# KiCad board PANEL7x5_ADS1293.kicad_pcb (continued)
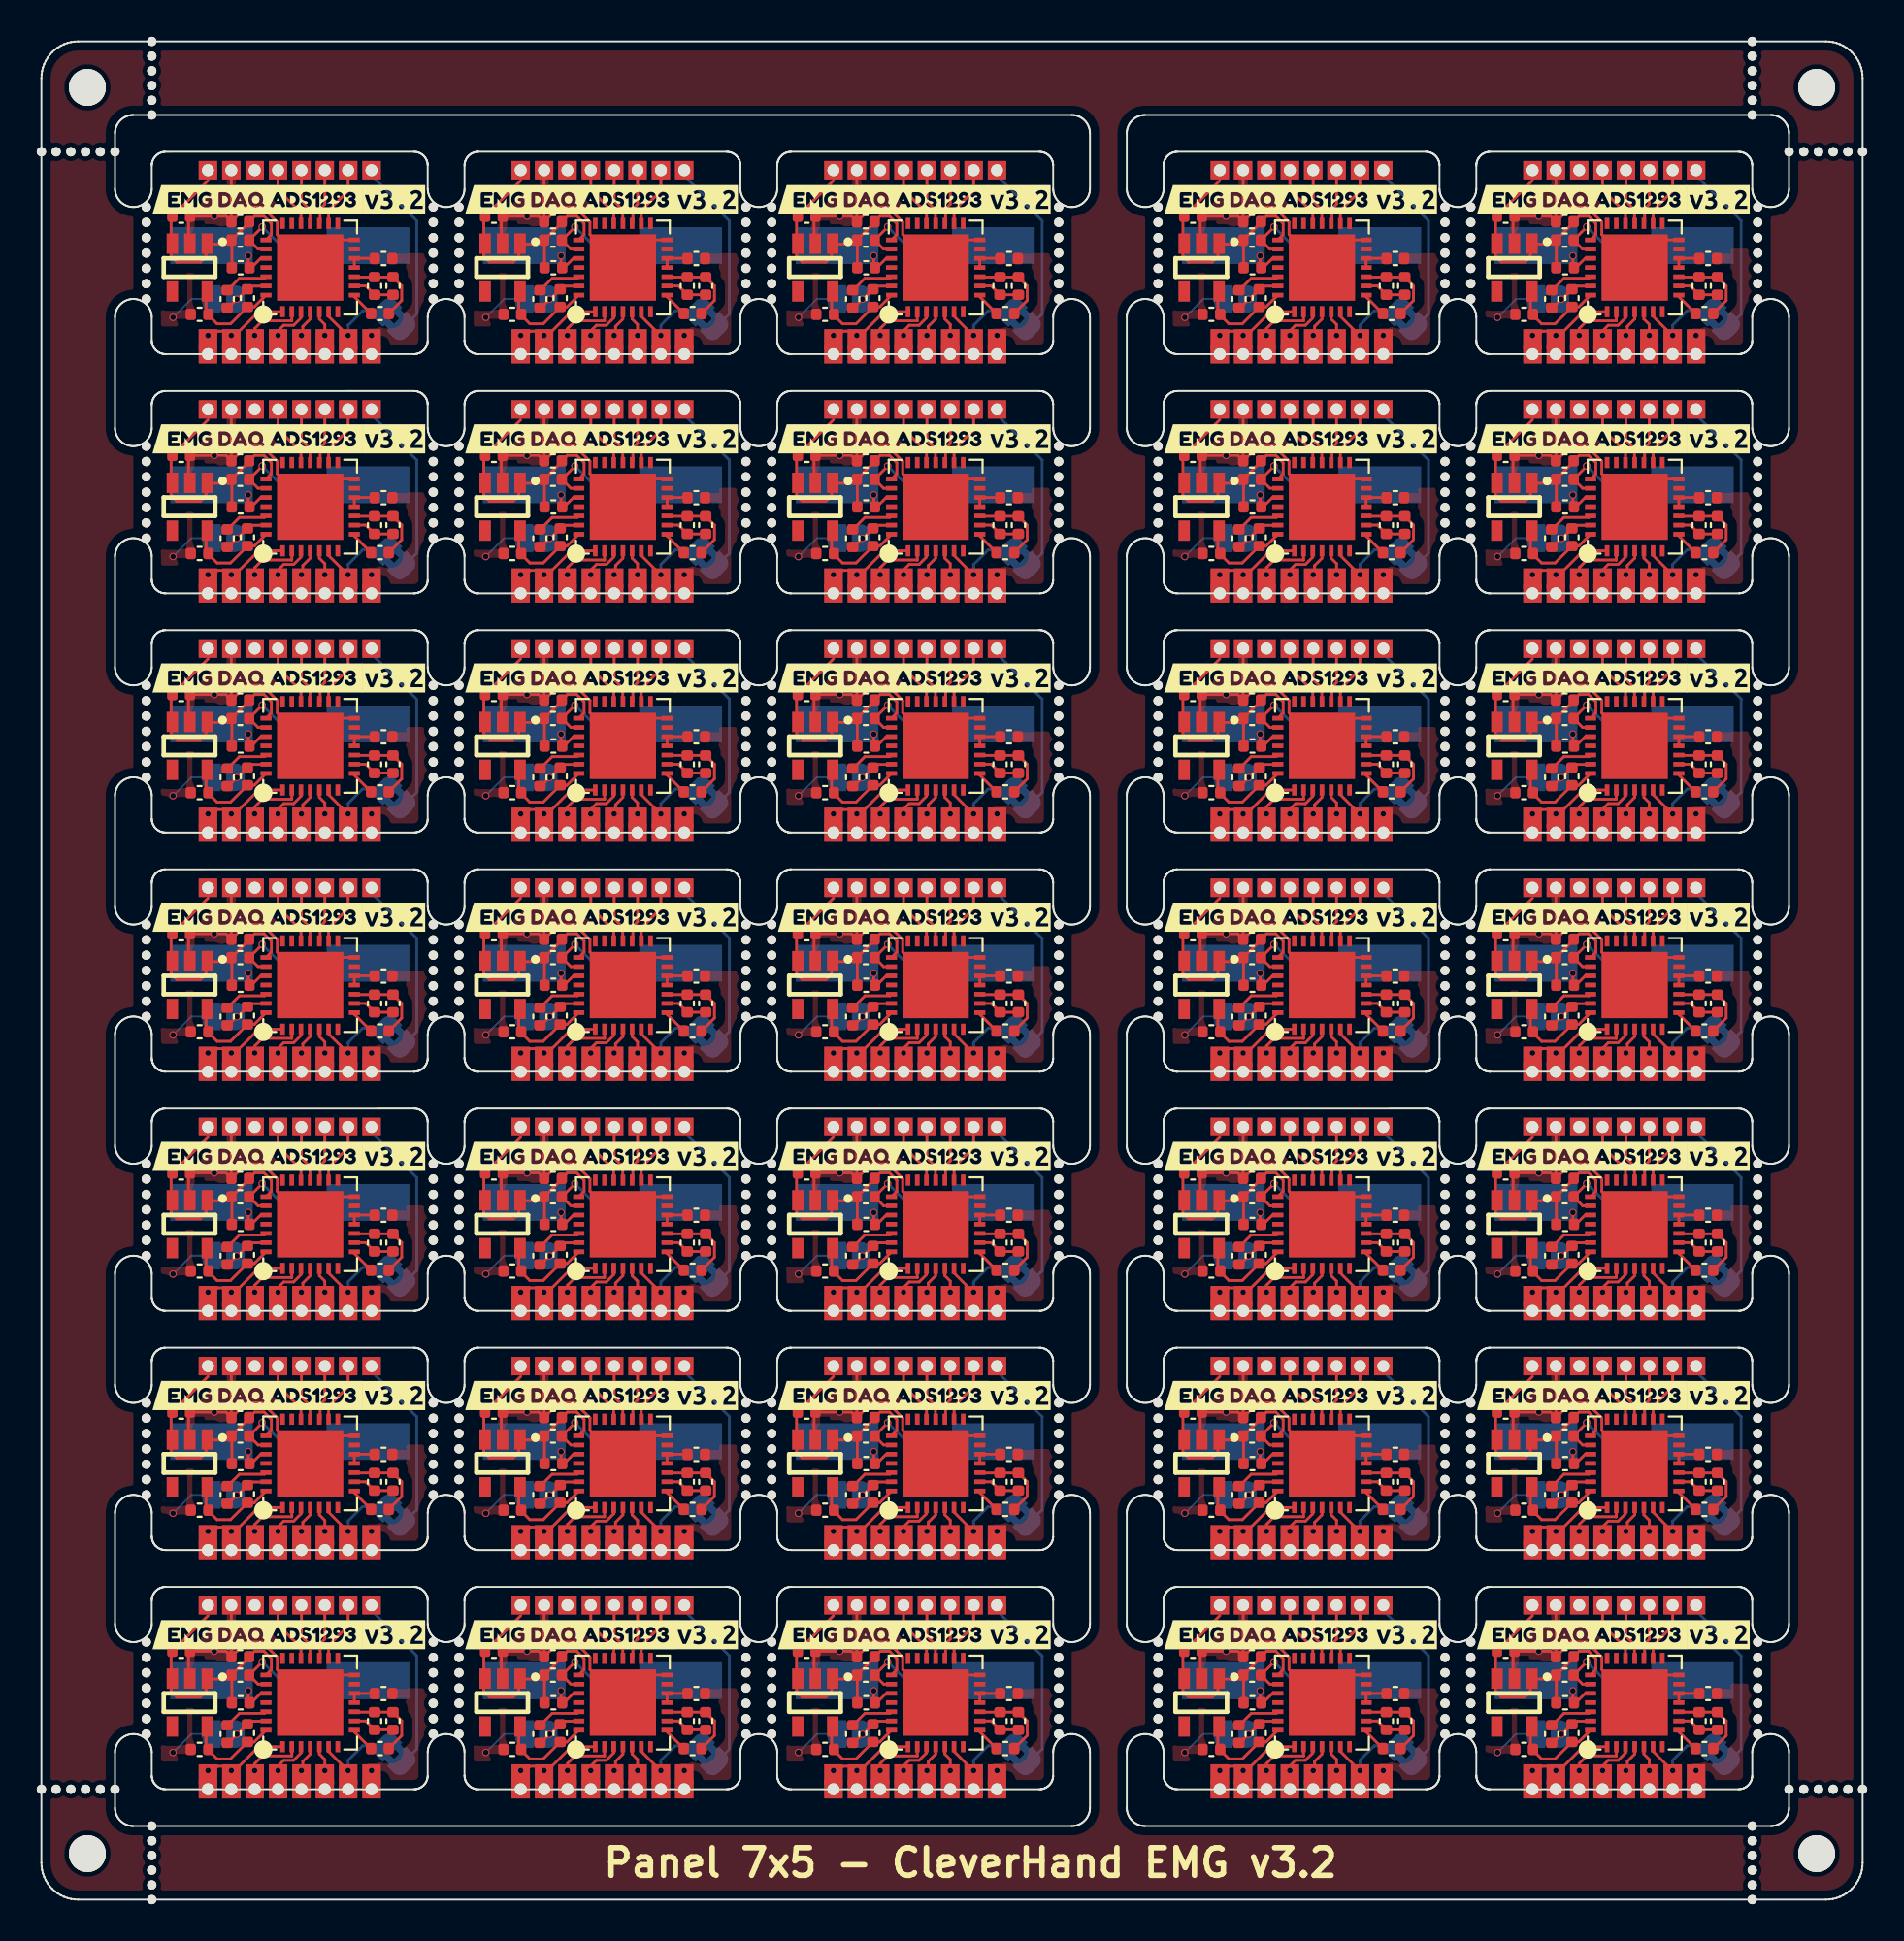
[diagram p0: board, top side]
## Placement (name value [footprint] x y rotation side) (continued)
KiKit_MB_17_5  -  [NPTH]  60.7 77.33 0 top
KiKit_MB_17_6  -  [NPTH]  60.7 78.17 0 top
KiKit_MB_17_7  -  [NPTH]  60.7 79 0 top
KiKit_MB_18_1  -  [NPTH]  76.3 79 0 top
KiKit_MB_18_2  -  [NPTH]  76.3 78.17 0 top
KiKit_MB_18_3  -  [NPTH]  76.3 77.33 0 top
KiKit_MB_18_4  -  [NPTH]  76.3 76.5 0 top
KiKit_MB_18_5  -  [NPTH]  76.3 75.67 0 top
KiKit_MB_18_6  -  [NPTH]  76.3 74.83 0 top
KiKit_MB_18_7  -  [NPTH]  76.3 74 0 top
KiKit_MB_19_1  -  [NPTH]  77.7 74 0 top
KiKit_MB_19_2  -  [NPTH]  77.7 74.83 0 top
KiKit_MB_19_3  -  [NPTH]  77.7 75.67 0 top
KiKit_MB_19_4  -  [NPTH]  77.7 76.5 0 top
KiKit_MB_19_5  -  [NPTH]  77.7 77.33 0 top
KiKit_MB_19_6  -  [NPTH]  77.7 78.17 0 top
KiKit_MB_19_7  -  [NPTH]  77.7 79 0 top
KiKit_MB_20_1  -  [NPTH]  93.3 79 0 top
KiKit_MB_20_2  -  [NPTH]  93.3 78.17 0 top
KiKit_MB_20_3  -  [NPTH]  93.3 77.33 0 top
KiKit_MB_20_4  -  [NPTH]  93.3 76.5 0 top
KiKit_MB_20_5  -  [NPTH]  93.3 75.67 0 top
KiKit_MB_20_6  -  [NPTH]  93.3 74.83 0 top
KiKit_MB_20_7  -  [NPTH]  93.3 74 0 top
KiKit_MB_21_1  -  [NPTH]  5.7 61 0 top
KiKit_MB_21_2  -  [NPTH]  5.7 61.83 0 top
KiKit_MB_21_3  -  [NPTH]  5.7 62.67 0 top
KiKit_MB_21_4  -  [NPTH]  5.7 63.5 0 top
KiKit_MB_21_5  -  [NPTH]  5.7 64.33 0 top
KiKit_MB_21_6  -  [NPTH]  5.7 65.17 0 top
KiKit_MB_21_7  -  [NPTH]  5.7 66 0 top
KiKit_MB_22_1  -  [NPTH]  21.3 66 0 top
KiKit_MB_22_2  -  [NPTH]  21.3 65.17 0 top
KiKit_MB_22_3  -  [NPTH]  21.3 64.33 0 top
KiKit_MB_22_4  -  [NPTH]  21.3 63.5 0 top
KiKit_MB_22_5  -  [NPTH]  21.3 62.67 0 top
KiKit_MB_22_6  -  [NPTH]  21.3 61.83 0 top
KiKit_MB_22_7  -  [NPTH]  21.3 61 0 top
KiKit_MB_23_1  -  [NPTH]  22.7 61 0 top
KiKit_MB_23_2  -  [NPTH]  22.7 61.83 0 top
KiKit_MB_23_3  -  [NPTH]  22.7 62.67 0 top
KiKit_MB_23_4  -  [NPTH]  22.7 63.5 0 top
KiKit_MB_23_5  -  [NPTH]  22.7 64.33 0 top
KiKit_MB_23_6  -  [NPTH]  22.7 65.17 0 top
KiKit_MB_23_7  -  [NPTH]  22.7 66 0 top
KiKit_MB_24_1  -  [NPTH]  38.3 66 0 top
KiKit_MB_24_2  -  [NPTH]  38.3 65.17 0 top
KiKit_MB_24_3  -  [NPTH]  38.3 64.33 0 top
KiKit_MB_24_4  -  [NPTH]  38.3 63.5 0 top
KiKit_MB_24_5  -  [NPTH]  38.3 62.67 0 top
KiKit_MB_24_6  -  [NPTH]  38.3 61.83 0 top
KiKit_MB_24_7  -  [NPTH]  38.3 61 0 top
KiKit_MB_25_1  -  [NPTH]  39.7 61 0 top
KiKit_MB_25_2  -  [NPTH]  39.7 61.83 0 top
KiKit_MB_25_3  -  [NPTH]  39.7 62.67 0 top
KiKit_MB_25_4  -  [NPTH]  39.7 63.5 0 top
KiKit_MB_25_5  -  [NPTH]  39.7 64.33 0 top
KiKit_MB_25_6  -  [NPTH]  39.7 65.17 0 top
KiKit_MB_25_7  -  [NPTH]  39.7 66 0 top
KiKit_MB_26_1  -  [NPTH]  55.3 66 0 top
KiKit_MB_26_2  -  [NPTH]  55.3 65.17 0 top
KiKit_MB_26_3  -  [NPTH]  55.3 64.33 0 top
KiKit_MB_26_4  -  [NPTH]  55.3 63.5 0 top
KiKit_MB_26_5  -  [NPTH]  55.3 62.67 0 top
KiKit_MB_26_6  -  [NPTH]  55.3 61.83 0 top
KiKit_MB_26_7  -  [NPTH]  55.3 61 0 top
KiKit_MB_27_1  -  [NPTH]  60.7 61 0 top
KiKit_MB_27_2  -  [NPTH]  60.7 61.83 0 top
KiKit_MB_27_3  -  [NPTH]  60.7 62.67 0 top
KiKit_MB_27_4  -  [NPTH]  60.7 63.5 0 top
KiKit_MB_27_5  -  [NPTH]  60.7 64.33 0 top
KiKit_MB_27_6  -  [NPTH]  60.7 65.17 0 top
KiKit_MB_27_7  -  [NPTH]  60.7 66 0 top
KiKit_MB_28_1  -  [NPTH]  76.3 66 0 top
KiKit_MB_28_2  -  [NPTH]  76.3 65.17 0 top
KiKit_MB_28_3  -  [NPTH]  76.3 64.33 0 top
KiKit_MB_28_4  -  [NPTH]  76.3 63.5 0 top
KiKit_MB_28_5  -  [NPTH]  76.3 62.67 0 top
KiKit_MB_28_6  -  [NPTH]  76.3 61.83 0 top
KiKit_MB_28_7  -  [NPTH]  76.3 61 0 top
KiKit_MB_29_1  -  [NPTH]  77.7 61 0 top
KiKit_MB_29_2  -  [NPTH]  77.7 61.83 0 top
KiKit_MB_29_3  -  [NPTH]  77.7 62.67 0 top
KiKit_MB_29_4  -  [NPTH]  77.7 63.5 0 top
KiKit_MB_29_5  -  [NPTH]  77.7 64.33 0 top
KiKit_MB_29_6  -  [NPTH]  77.7 65.17 0 top
KiKit_MB_29_7  -  [NPTH]  77.7 66 0 top
KiKit_MB_30_1  -  [NPTH]  93.3 66 0 top
KiKit_MB_30_2  -  [NPTH]  93.3 65.17 0 top
KiKit_MB_30_3  -  [NPTH]  93.3 64.33 0 top
KiKit_MB_30_4  -  [NPTH]  93.3 63.5 0 top
KiKit_MB_30_5  -  [NPTH]  93.3 62.67 0 top
KiKit_MB_30_6  -  [NPTH]  93.3 61.83 0 top
KiKit_MB_30_7  -  [NPTH]  93.3 61 0 top
KiKit_MB_31_1  -  [NPTH]  5.7 48 0 top
KiKit_MB_31_2  -  [NPTH]  5.7 48.83 0 top
KiKit_MB_31_3  -  [NPTH]  5.7 49.67 0 top
KiKit_MB_31_4  -  [NPTH]  5.7 50.5 0 top
KiKit_MB_31_5  -  [NPTH]  5.7 51.33 0 top
KiKit_MB_31_6  -  [NPTH]  5.7 52.17 0 top
KiKit_MB_31_7  -  [NPTH]  5.7 53 0 top
KiKit_MB_32_1  -  [NPTH]  21.3 53 0 top
KiKit_MB_32_2  -  [NPTH]  21.3 52.17 0 top
KiKit_MB_32_3  -  [NPTH]  21.3 51.33 0 top
KiKit_MB_32_4  -  [NPTH]  21.3 50.5 0 top
KiKit_MB_32_5  -  [NPTH]  21.3 49.67 0 top
KiKit_MB_32_6  -  [NPTH]  21.3 48.83 0 top
KiKit_MB_32_7  -  [NPTH]  21.3 48 0 top
KiKit_MB_33_1  -  [NPTH]  22.7 48 0 top
KiKit_MB_33_2  -  [NPTH]  22.7 48.83 0 top
KiKit_MB_33_3  -  [NPTH]  22.7 49.67 0 top
KiKit_MB_33_4  -  [NPTH]  22.7 50.5 0 top
KiKit_MB_33_5  -  [NPTH]  22.7 51.33 0 top
KiKit_MB_33_6  -  [NPTH]  22.7 52.17 0 top
KiKit_MB_33_7  -  [NPTH]  22.7 53 0 top
KiKit_MB_34_1  -  [NPTH]  38.3 53 0 top
KiKit_MB_34_2  -  [NPTH]  38.3 52.17 0 top
KiKit_MB_34_3  -  [NPTH]  38.3 51.33 0 top
KiKit_MB_34_4  -  [NPTH]  38.3 50.5 0 top
KiKit_MB_34_5  -  [NPTH]  38.3 49.67 0 top
KiKit_MB_34_6  -  [NPTH]  38.3 48.83 0 top
KiKit_MB_34_7  -  [NPTH]  38.3 48 0 top
KiKit_MB_35_1  -  [NPTH]  39.7 48 0 top
KiKit_MB_35_2  -  [NPTH]  39.7 48.83 0 top
KiKit_MB_35_3  -  [NPTH]  39.7 49.67 0 top
KiKit_MB_35_4  -  [NPTH]  39.7 50.5 0 top
KiKit_MB_35_5  -  [NPTH]  39.7 51.33 0 top
KiKit_MB_35_6  -  [NPTH]  39.7 52.17 0 top
KiKit_MB_35_7  -  [NPTH]  39.7 53 0 top
KiKit_MB_36_1  -  [NPTH]  55.3 53 0 top
KiKit_MB_36_2  -  [NPTH]  55.3 52.17 0 top
KiKit_MB_36_3  -  [NPTH]  55.3 51.33 0 top
KiKit_MB_36_4  -  [NPTH]  55.3 50.5 0 top
KiKit_MB_36_5  -  [NPTH]  55.3 49.67 0 top
KiKit_MB_36_6  -  [NPTH]  55.3 48.83 0 top
KiKit_MB_36_7  -  [NPTH]  55.3 48 0 top
KiKit_MB_37_1  -  [NPTH]  60.7 48 0 top
KiKit_MB_37_2  -  [NPTH]  60.7 48.83 0 top
KiKit_MB_37_3  -  [NPTH]  60.7 49.67 0 top
KiKit_MB_37_4  -  [NPTH]  60.7 50.5 0 top
KiKit_MB_37_5  -  [NPTH]  60.7 51.33 0 top
KiKit_MB_37_6  -  [NPTH]  60.7 52.17 0 top
KiKit_MB_37_7  -  [NPTH]  60.7 53 0 top
KiKit_MB_38_1  -  [NPTH]  76.3 53 0 top
KiKit_MB_38_2  -  [NPTH]  76.3 52.17 0 top
KiKit_MB_38_3  -  [NPTH]  76.3 51.33 0 top
KiKit_MB_38_4  -  [NPTH]  76.3 50.5 0 top
KiKit_MB_38_5  -  [NPTH]  76.3 49.67 0 top
KiKit_MB_38_6  -  [NPTH]  76.3 48.83 0 top
KiKit_MB_38_7  -  [NPTH]  76.3 48 0 top
KiKit_MB_39_1  -  [NPTH]  77.7 48 0 top
KiKit_MB_39_2  -  [NPTH]  77.7 48.83 0 top
KiKit_MB_39_3  -  [NPTH]  77.7 49.67 0 top
KiKit_MB_39_4  -  [NPTH]  77.7 50.5 0 top
KiKit_MB_39_5  -  [NPTH]  77.7 51.33 0 top
KiKit_MB_39_6  -  [NPTH]  77.7 52.17 0 top
KiKit_MB_39_7  -  [NPTH]  77.7 53 0 top
KiKit_MB_40_1  -  [NPTH]  93.3 53 0 top
KiKit_MB_40_2  -  [NPTH]  93.3 52.17 0 top
KiKit_MB_40_3  -  [NPTH]  93.3 51.33 0 top
KiKit_MB_40_4  -  [NPTH]  93.3 50.5 0 top
KiKit_MB_40_5  -  [NPTH]  93.3 49.67 0 top
KiKit_MB_40_6  -  [NPTH]  93.3 48.83 0 top
KiKit_MB_40_7  -  [NPTH]  93.3 48 0 top
KiKit_MB_41_1  -  [NPTH]  5.7 35 0 top
KiKit_MB_41_2  -  [NPTH]  5.7 35.83 0 top
KiKit_MB_41_3  -  [NPTH]  5.7 36.67 0 top
KiKit_MB_41_4  -  [NPTH]  5.7 37.5 0 top
KiKit_MB_41_5  -  [NPTH]  5.7 38.33 0 top
KiKit_MB_41_6  -  [NPTH]  5.7 39.17 0 top
KiKit_MB_41_7  -  [NPTH]  5.7 40 0 top
KiKit_MB_42_1  -  [NPTH]  21.3 40 0 top
KiKit_MB_42_2  -  [NPTH]  21.3 39.17 0 top
KiKit_MB_42_3  -  [NPTH]  21.3 38.33 0 top
KiKit_MB_42_4  -  [NPTH]  21.3 37.5 0 top
KiKit_MB_42_5  -  [NPTH]  21.3 36.67 0 top
KiKit_MB_42_6  -  [NPTH]  21.3 35.83 0 top
KiKit_MB_42_7  -  [NPTH]  21.3 35 0 top
KiKit_MB_43_1  -  [NPTH]  22.7 35 0 top
KiKit_MB_43_2  -  [NPTH]  22.7 35.83 0 top
KiKit_MB_43_3  -  [NPTH]  22.7 36.67 0 top
KiKit_MB_43_4  -  [NPTH]  22.7 37.5 0 top
KiKit_MB_43_5  -  [NPTH]  22.7 38.33 0 top
KiKit_MB_43_6  -  [NPTH]  22.7 39.17 0 top
KiKit_MB_43_7  -  [NPTH]  22.7 40 0 top
KiKit_MB_44_1  -  [NPTH]  38.3 40 0 top
KiKit_MB_44_2  -  [NPTH]  38.3 39.17 0 top
KiKit_MB_44_3  -  [NPTH]  38.3 38.33 0 top
KiKit_MB_44_4  -  [NPTH]  38.3 37.5 0 top
KiKit_MB_44_5  -  [NPTH]  38.3 36.67 0 top
KiKit_MB_44_6  -  [NPTH]  38.3 35.83 0 top
KiKit_MB_44_7  -  [NPTH]  38.3 35 0 top
KiKit_MB_45_1  -  [NPTH]  39.7 35 0 top
KiKit_MB_45_2  -  [NPTH]  39.7 35.83 0 top
KiKit_MB_45_3  -  [NPTH]  39.7 36.67 0 top
KiKit_MB_45_4  -  [NPTH]  39.7 37.5 0 top
KiKit_MB_45_5  -  [NPTH]  39.7 38.33 0 top
KiKit_MB_45_6  -  [NPTH]  39.7 39.17 0 top
KiKit_MB_45_7  -  [NPTH]  39.7 40 0 top
KiKit_MB_46_1  -  [NPTH]  55.3 40 0 top
KiKit_MB_46_2  -  [NPTH]  55.3 39.17 0 top
KiKit_MB_46_3  -  [NPTH]  55.3 38.33 0 top
KiKit_MB_46_4  -  [NPTH]  55.3 37.5 0 top
KiKit_MB_46_5  -  [NPTH]  55.3 36.67 0 top
KiKit_MB_46_6  -  [NPTH]  55.3 35.83 0 top
KiKit_MB_46_7  -  [NPTH]  55.3 35 0 top
KiKit_MB_47_1  -  [NPTH]  60.7 35 0 top
KiKit_MB_47_2  -  [NPTH]  60.7 35.83 0 top
KiKit_MB_47_3  -  [NPTH]  60.7 36.67 0 top
KiKit_MB_47_4  -  [NPTH]  60.7 37.5 0 top
KiKit_MB_47_5  -  [NPTH]  60.7 38.33 0 top
KiKit_MB_47_6  -  [NPTH]  60.7 39.17 0 top
KiKit_MB_47_7  -  [NPTH]  60.7 40 0 top
KiKit_MB_48_1  -  [NPTH]  76.3 40 0 top
KiKit_MB_48_2  -  [NPTH]  76.3 39.17 0 top
KiKit_MB_48_3  -  [NPTH]  76.3 38.33 0 top
KiKit_MB_48_4  -  [NPTH]  76.3 37.5 0 top
KiKit_MB_48_5  -  [NPTH]  76.3 36.67 0 top
KiKit_MB_48_6  -  [NPTH]  76.3 35.83 0 top
KiKit_MB_48_7  -  [NPTH]  76.3 35 0 top
KiKit_MB_49_1  -  [NPTH]  77.7 35 0 top
KiKit_MB_49_2  -  [NPTH]  77.7 35.83 0 top
KiKit_MB_49_3  -  [NPTH]  77.7 36.67 0 top
KiKit_MB_49_4  -  [NPTH]  77.7 37.5 0 top
KiKit_MB_49_5  -  [NPTH]  77.7 38.33 0 top
KiKit_MB_49_6  -  [NPTH]  77.7 39.17 0 top
KiKit_MB_49_7  -  [NPTH]  77.7 40 0 top
KiKit_MB_50_1  -  [NPTH]  93.3 40 0 top
KiKit_MB_50_2  -  [NPTH]  93.3 39.17 0 top
KiKit_MB_50_3  -  [NPTH]  93.3 38.33 0 top
KiKit_MB_50_4  -  [NPTH]  93.3 37.5 0 top
KiKit_MB_50_5  -  [NPTH]  93.3 36.67 0 top
KiKit_MB_50_6  -  [NPTH]  93.3 35.83 0 top
KiKit_MB_50_7  -  [NPTH]  93.3 35 0 top
KiKit_MB_51_1  -  [NPTH]  5.7 22 0 top
KiKit_MB_51_2  -  [NPTH]  5.7 22.83 0 top
KiKit_MB_51_3  -  [NPTH]  5.7 23.67 0 top
KiKit_MB_51_4  -  [NPTH]  5.7 24.5 0 top
KiKit_MB_51_5  -  [NPTH]  5.7 25.33 0 top
KiKit_MB_51_6  -  [NPTH]  5.7 26.17 0 top
KiKit_MB_51_7  -  [NPTH]  5.7 27 0 top
KiKit_MB_52_1  -  [NPTH]  21.3 27 0 top
KiKit_MB_52_2  -  [NPTH]  21.3 26.17 0 top
KiKit_MB_52_3  -  [NPTH]  21.3 25.33 0 top
KiKit_MB_52_4  -  [NPTH]  21.3 24.5 0 top
KiKit_MB_52_5  -  [NPTH]  21.3 23.67 0 top
KiKit_MB_52_6  -  [NPTH]  21.3 22.83 0 top
KiKit_MB_52_7  -  [NPTH]  21.3 22 0 top
KiKit_MB_53_1  -  [NPTH]  22.7 22 0 top
KiKit_MB_53_2  -  [NPTH]  22.7 22.83 0 top
KiKit_MB_53_3  -  [NPTH]  22.7 23.67 0 top
KiKit_MB_53_4  -  [NPTH]  22.7 24.5 0 top
KiKit_MB_53_5  -  [NPTH]  22.7 25.33 0 top
KiKit_MB_53_6  -  [NPTH]  22.7 26.17 0 top
KiKit_MB_53_7  -  [NPTH]  22.7 27 0 top
KiKit_MB_54_1  -  [NPTH]  38.3 27 0 top
KiKit_MB_54_2  -  [NPTH]  38.3 26.17 0 top
KiKit_MB_54_3  -  [NPTH]  38.3 25.33 0 top
KiKit_MB_54_4  -  [NPTH]  38.3 24.5 0 top
KiKit_MB_54_5  -  [NPTH]  38.3 23.67 0 top
KiKit_MB_54_6  -  [NPTH]  38.3 22.83 0 top
KiKit_MB_54_7  -  [NPTH]  38.3 22 0 top
KiKit_MB_55_1  -  [NPTH]  39.7 22 0 top
KiKit_MB_55_2  -  [NPTH]  39.7 22.83 0 top
KiKit_MB_55_3  -  [NPTH]  39.7 23.67 0 top
KiKit_MB_55_4  -  [NPTH]  39.7 24.5 0 top
KiKit_MB_55_5  -  [NPTH]  39.7 25.33 0 top
KiKit_MB_55_6  -  [NPTH]  39.7 26.17 0 top
KiKit_MB_55_7  -  [NPTH]  39.7 27 0 top
KiKit_MB_56_1  -  [NPTH]  55.3 27 0 top
KiKit_MB_56_2  -  [NPTH]  55.3 26.17 0 top
KiKit_MB_56_3  -  [NPTH]  55.3 25.33 0 top
KiKit_MB_56_4  -  [NPTH]  55.3 24.5 0 top
KiKit_MB_56_5  -  [NPTH]  55.3 23.67 0 top
KiKit_MB_56_6  -  [NPTH]  55.3 22.83 0 top
KiKit_MB_56_7  -  [NPTH]  55.3 22 0 top
KiKit_MB_57_1  -  [NPTH]  60.7 22 0 top
KiKit_MB_57_2  -  [NPTH]  60.7 22.83 0 top
KiKit_MB_57_3  -  [NPTH]  60.7 23.67 0 top
KiKit_MB_57_4  -  [NPTH]  60.7 24.5 0 top
KiKit_MB_57_5  -  [NPTH]  60.7 25.33 0 top
KiKit_MB_57_6  -  [NPTH]  60.7 26.17 0 top
KiKit_MB_57_7  -  [NPTH]  60.7 27 0 top
KiKit_MB_58_1  -  [NPTH]  76.3 27 0 top
KiKit_MB_58_2  -  [NPTH]  76.3 26.17 0 top
KiKit_MB_58_3  -  [NPTH]  76.3 25.33 0 top
KiKit_MB_58_4  -  [NPTH]  76.3 24.5 0 top
KiKit_MB_58_5  -  [NPTH]  76.3 23.67 0 top
KiKit_MB_58_6  -  [NPTH]  76.3 22.83 0 top
KiKit_MB_58_7  -  [NPTH]  76.3 22 0 top
KiKit_MB_59_1  -  [NPTH]  77.7 22 0 top
KiKit_MB_59_2  -  [NPTH]  77.7 22.83 0 top
KiKit_MB_59_3  -  [NPTH]  77.7 23.67 0 top
KiKit_MB_59_4  -  [NPTH]  77.7 24.5 0 top
KiKit_MB_59_5  -  [NPTH]  77.7 25.33 0 top
KiKit_MB_59_6  -  [NPTH]  77.7 26.17 0 top
KiKit_MB_59_7  -  [NPTH]  77.7 27 0 top
KiKit_MB_60_1  -  [NPTH]  93.3 27 0 top
KiKit_MB_60_2  -  [NPTH]  93.3 26.17 0 top
KiKit_MB_60_3  -  [NPTH]  93.3 25.33 0 top
KiKit_MB_60_4  -  [NPTH]  93.3 24.5 0 top
KiKit_MB_60_5  -  [NPTH]  93.3 23.67 0 top
KiKit_MB_60_6  -  [NPTH]  93.3 22.83 0 top
KiKit_MB_60_7  -  [NPTH]  93.3 22 0 top
KiKit_MB_61_1  -  [NPTH]  5.7 9 0 top
KiKit_MB_61_2  -  [NPTH]  5.7 9.83 0 top
KiKit_MB_61_3  -  [NPTH]  5.7 10.67 0 top
KiKit_MB_61_4  -  [NPTH]  5.7 11.5 0 top
KiKit_MB_61_5  -  [NPTH]  5.7 12.33 0 top
KiKit_MB_61_6  -  [NPTH]  5.7 13.17 0 top
KiKit_MB_61_7  -  [NPTH]  5.7 14 0 top
KiKit_MB_62_1  -  [NPTH]  21.3 14 0 top
KiKit_MB_62_2  -  [NPTH]  21.3 13.17 0 top
KiKit_MB_62_3  -  [NPTH]  21.3 12.33 0 top
KiKit_MB_62_4  -  [NPTH]  21.3 11.5 0 top
KiKit_MB_62_5  -  [NPTH]  21.3 10.67 0 top
KiKit_MB_62_6  -  [NPTH]  21.3 9.83 0 top
KiKit_MB_62_7  -  [NPTH]  21.3 9 0 top
KiKit_MB_63_1  -  [NPTH]  22.7 9 0 top
KiKit_MB_63_2  -  [NPTH]  22.7 9.83 0 top
KiKit_MB_63_3  -  [NPTH]  22.7 10.67 0 top
KiKit_MB_63_4  -  [NPTH]  22.7 11.5 0 top
KiKit_MB_63_5  -  [NPTH]  22.7 12.33 0 top
KiKit_MB_63_6  -  [NPTH]  22.7 13.17 0 top
KiKit_MB_63_7  -  [NPTH]  22.7 14 0 top
KiKit_MB_64_1  -  [NPTH]  38.3 14 0 top
KiKit_MB_64_2  -  [NPTH]  38.3 13.17 0 top
KiKit_MB_64_3  -  [NPTH]  38.3 12.33 0 top
KiKit_MB_64_4  -  [NPTH]  38.3 11.5 0 top
KiKit_MB_64_5  -  [NPTH]  38.3 10.67 0 top
KiKit_MB_64_6  -  [NPTH]  38.3 9.83 0 top
KiKit_MB_64_7  -  [NPTH]  38.3 9 0 top
KiKit_MB_65_1  -  [NPTH]  39.7 9 0 top
KiKit_MB_65_2  -  [NPTH]  39.7 9.83 0 top
KiKit_MB_65_3  -  [NPTH]  39.7 10.67 0 top
KiKit_MB_65_4  -  [NPTH]  39.7 11.5 0 top
KiKit_MB_65_5  -  [NPTH]  39.7 12.33 0 top
KiKit_MB_65_6  -  [NPTH]  39.7 13.17 0 top
KiKit_MB_65_7  -  [NPTH]  39.7 14 0 top
KiKit_MB_66_1  -  [NPTH]  55.3 14 0 top
KiKit_MB_66_2  -  [NPTH]  55.3 13.17 0 top
KiKit_MB_66_3  -  [NPTH]  55.3 12.33 0 top
KiKit_MB_66_4  -  [NPTH]  55.3 11.5 0 top
KiKit_MB_66_5  -  [NPTH]  55.3 10.67 0 top
KiKit_MB_66_6  -  [NPTH]  55.3 9.83 0 top
KiKit_MB_66_7  -  [NPTH]  55.3 9 0 top
KiKit_MB_67_1  -  [NPTH]  60.7 9 0 top
KiKit_MB_67_2  -  [NPTH]  60.7 9.83 0 top
KiKit_MB_67_3  -  [NPTH]  60.7 10.67 0 top
KiKit_MB_67_4  -  [NPTH]  60.7 11.5 0 top
KiKit_MB_67_5  -  [NPTH]  60.7 12.33 0 top
KiKit_MB_67_6  -  [NPTH]  60.7 13.17 0 top
KiKit_MB_67_7  -  [NPTH]  60.7 14 0 top
KiKit_MB_68_1  -  [NPTH]  76.3 14 0 top
KiKit_MB_68_2  -  [NPTH]  76.3 13.17 0 top
KiKit_MB_68_3  -  [NPTH]  76.3 12.33 0 top
KiKit_MB_68_4  -  [NPTH]  76.3 11.5 0 top
KiKit_MB_68_5  -  [NPTH]  76.3 10.67 0 top
KiKit_MB_68_6  -  [NPTH]  76.3 9.83 0 top
KiKit_MB_68_7  -  [NPTH]  76.3 9 0 top
KiKit_MB_69_1  -  [NPTH]  77.7 9 0 top
KiKit_MB_69_2  -  [NPTH]  77.7 9.83 0 top
KiKit_MB_69_3  -  [NPTH]  77.7 10.67 0 top
KiKit_MB_69_4  -  [NPTH]  77.7 11.5 0 top
KiKit_MB_69_5  -  [NPTH]  77.7 12.33 0 top
KiKit_MB_69_6  -  [NPTH]  77.7 13.17 0 top
KiKit_MB_69_7  -  [NPTH]  77.7 14 0 top
KiKit_MB_70_1  -  [NPTH]  93.3 14 0 top
KiKit_MB_70_2  -  [NPTH]  93.3 13.17 0 top
KiKit_MB_70_3  -  [NPTH]  93.3 12.33 0 top
KiKit_MB_70_4  -  [NPTH]  93.3 11.5 0 top
KiKit_MB_70_5  -  [NPTH]  93.3 10.67 0 top
KiKit_MB_70_6  -  [NPTH]  93.3 9.83 0 top
KiKit_MB_70_7  -  [NPTH]  93.3 9 0 top
KiKit_MB_71_1  -  [NPTH]  6 101 0 top
KiKit_MB_71_2  -  [NPTH]  6 100.2 0 top
KiKit_MB_71_3  -  [NPTH]  6 99.4 0 top
KiKit_MB_71_4  -  [NPTH]  6 98.6 0 top
KiKit_MB_71_5  -  [NPTH]  6 97.8 0 top
KiKit_MB_71_6  -  [NPTH]  6 97 0 top
KiKit_MB_72_1  -  [NPTH]  93 101 0 top
KiKit_MB_72_2  -  [NPTH]  93 100.2 0 top
KiKit_MB_72_3  -  [NPTH]  93 99.4 0 top
KiKit_MB_72_4  -  [NPTH]  93 98.6 0 top
KiKit_MB_72_5  -  [NPTH]  93 97.8 0 top
KiKit_MB_72_6  -  [NPTH]  93 97 0 top
KiKit_MB_73_1  -  [NPTH]  6 4 0 top
KiKit_MB_73_2  -  [NPTH]  6 3.2 0 top
KiKit_MB_73_3  -  [NPTH]  6 2.4 0 top
KiKit_MB_73_4  -  [NPTH]  6 1.6 0 top
KiKit_MB_73_5  -  [NPTH]  6 0.8 0 top
KiKit_MB_73_6  -  [NPTH]  6 0 0 top
KiKit_MB_74_1  -  [NPTH]  93 4 0 top
KiKit_MB_74_2  -  [NPTH]  93 3.2 0 top
KiKit_MB_74_3  -  [NPTH]  93 2.4 0 top
KiKit_MB_74_4  -  [NPTH]  93 1.6 0 top
KiKit_MB_74_5  -  [NPTH]  93 0.8 0 top
KiKit_MB_74_6  -  [NPTH]  93 0 0 top
KiKit_MB_75_1  -  [NPTH]  0 95 0 top
KiKit_MB_75_2  -  [NPTH]  0.8 95 0 top
KiKit_MB_75_3  -  [NPTH]  1.6 95 0 top
KiKit_MB_75_4  -  [NPTH]  2.4 95 0 top
KiKit_MB_75_5  -  [NPTH]  3.2 95 0 top
KiKit_MB_75_6  -  [NPTH]  4 95 0 top
KiKit_MB_76_1  -  [NPTH]  0 6 0 top
KiKit_MB_76_2  -  [NPTH]  0.8 6 0 top
KiKit_MB_76_3  -  [NPTH]  1.6 6 0 top
KiKit_MB_76_4  -  [NPTH]  2.4 6 0 top
KiKit_MB_76_5  -  [NPTH]  3.2 6 0 top
KiKit_MB_76_6  -  [NPTH]  4 6 0 top
KiKit_MB_77_1  -  [NPTH]  95 95 0 top
KiKit_MB_77_2  -  [NPTH]  95.8 95 0 top
KiKit_MB_77_3  -  [NPTH]  96.6 95 0 top
KiKit_MB_77_4  -  [NPTH]  97.4 95 0 top
KiKit_MB_77_5  -  [NPTH]  98.2 95 0 top
KiKit_MB_77_6  -  [NPTH]  99 95 0 top
KiKit_MB_78_1  -  [NPTH]  95 6 0 top
KiKit_MB_78_2  -  [NPTH]  95.8 6 0 top
KiKit_MB_78_3  -  [NPTH]  96.6 6 0 top
KiKit_MB_78_4  -  [NPTH]  97.4 6 0 top
KiKit_MB_78_5  -  [NPTH]  98.2 6 0 top
KiKit_MB_78_6  -  [NPTH]  99 6 0 top
KiKit_TO_1  -  [NPTH#2]  2.5 98.5 0 top
KiKit_TO_2  -  [NPTH#2]  96.5 98.5 0 top
KiKit_TO_3  -  [NPTH#2]  2.5 2.5 0 top
KiKit_TO_4  -  [NPTH#2]  96.5 2.5 0 top
R1  10K  [C_0402_1005Metric]  35.4 8.21 180 top
R1#2  10K  [C_0402_1005Metric]  73.4 60.21 180 top
R1#3  10K  [C_0402_1005Metric]  35.4 21.21 180 top
R1#4  10K  [C_0402_1005Metric]  73.4 47.21 180 top
R1#5  10K  [C_0402_1005Metric]  35.4 34.21 180 top
R1#6  10K  [C_0402_1005Metric]  52.4 73.21 180 top
R1#7  10K  [C_0402_1005Metric]  52.4 47.21 180 top
R1#8  10K  [C_0402_1005Metric]  90.4 8.21 180 top
R1#9  10K  [C_0402_1005Metric]  52.4 86.21 180 top
R1#10  10K  [C_0402_1005Metric]  90.4 86.21 180 top
R1#11  10K  [C_0402_1005Metric]  90.4 60.21 180 top
R1#12  10K  [C_0402_1005Metric]  73.4 73.21 180 top
R1#13  10K  [C_0402_1005Metric]  90.4 73.21 180 top
R1#14  10K  [C_0402_1005Metric]  35.4 47.21 180 top
R1#15  10K  [C_0402_1005Metric]  35.4 60.21 180 top
R1#16  10K  [C_0402_1005Metric]  18.4 21.21 180 top
R1#17  10K  [C_0402_1005Metric]  73.4 8.21 180 top
R1#18  10K  [C_0402_1005Metric]  90.4 47.21 180 top
R1#19  10K  [C_0402_1005Metric]  52.4 34.21 180 top
R1#20  10K  [C_0402_1005Metric]  73.4 34.21 180 top
R1#21  10K  [C_0402_1005Metric]  90.4 34.21 180 top
R1#22  10K  [C_0402_1005Metric]  18.4 60.21 180 top
R1#23  10K  [C_0402_1005Metric]  52.4 8.21 180 top
R1#24  10K  [C_0402_1005Metric]  73.4 21.21 180 top
R1#25  10K  [C_0402_1005Metric]  35.4 86.21 180 top
R1#26  10K  [C_0402_1005Metric]  18.4 73.21 180 top
R1#27  10K  [C_0402_1005Metric]  73.4 86.21 180 top
R1#28  10K  [C_0402_1005Metric]  35.4 73.21 180 top
R1#29  10K  [C_0402_1005Metric]  52.4 21.21 180 top
R1#30  10K  [C_0402_1005Metric]  18.4 86.21 180 top
R1#31  10K  [C_0402_1005Metric]  18.4 34.21 180 top
R1#32  10K  [C_0402_1005Metric]  18.4 47.21 180 top
R1#33  10K  [C_0402_1005Metric]  18.4 8.21 180 top
R1#34  10K  [C_0402_1005Metric]  90.4 21.21 180 top
R1#35  10K  [C_0402_1005Metric]  52.4 60.21 180 top
R2  10M  [C_0402_1005Metric]  91.11 87.71 270 top
R2#2  10M  [C_0402_1005Metric]  74.11 87.71 270 top
R2#3  10M  [C_0402_1005Metric]  53.11 22.71 270 top
R2#4  10M  [C_0402_1005Metric]  74.11 9.71 270 top
R2#5  10M  [C_0402_1005Metric]  36.11 61.71 270 top
R2#6  10M  [C_0402_1005Metric]  36.11 74.71 270 top
R2#7  10M  [C_0402_1005Metric]  74.11 74.71 270 top
R2#8  10M  [C_0402_1005Metric]  36.11 9.71 270 top
R2#9  10M  [C_0402_1005Metric]  91.11 61.71 270 top
R2#10  10M  [C_0402_1005Metric]  91.11 48.71 270 top
R2#11  10M  [C_0402_1005Metric]  19.11 35.71 270 top
R2#12  10M  [C_0402_1005Metric]  91.11 74.71 270 top
R2#13  10M  [C_0402_1005Metric]  53.11 48.71 270 top
R2#14  10M  [C_0402_1005Metric]  36.11 48.71 270 top
R2#15  10M  [C_0402_1005Metric]  53.11 35.71 270 top
R2#16  10M  [C_0402_1005Metric]  53.11 87.71 270 top
R2#17  10M  [C_0402_1005Metric]  74.11 48.71 270 top
R2#18  10M  [C_0402_1005Metric]  36.11 22.71 270 top
R2#19  10M  [C_0402_1005Metric]  19.11 61.71 270 top
R2#20  10M  [C_0402_1005Metric]  36.11 35.71 270 top
R2#21  10M  [C_0402_1005Metric]  19.11 48.71 270 top
R2#22  10M  [C_0402_1005Metric]  91.11 35.71 270 top
R2#23  10M  [C_0402_1005Metric]  19.11 22.71 270 top
R2#24  10M  [C_0402_1005Metric]  53.11 74.71 270 top
R2#25  10M  [C_0402_1005Metric]  91.11 9.71 270 top
R2#26  10M  [C_0402_1005Metric]  74.11 22.71 270 top
R2#27  10M  [C_0402_1005Metric]  19.11 74.71 270 top
R2#28  10M  [C_0402_1005Metric]  53.11 61.71 270 top
R2#29  10M  [C_0402_1005Metric]  74.11 61.71 270 top
R2#30  10M  [C_0402_1005Metric]  53.11 9.71 270 top
R2#31  10M  [C_0402_1005Metric]  19.11 9.71 270 top
R2#32  10M  [C_0402_1005Metric]  19.11 87.71 270 top
R2#33  10M  [C_0402_1005Metric]  74.11 35.71 270 top
R2#34  10M  [C_0402_1005Metric]  91.11 22.71 270 top
R2#35  10M  [C_0402_1005Metric]  36.11 87.71 270 top
U1  ADS1293CISQE-NOPB  [ADS1293CISQE]  48.61 49.71 90 top
U1#2  ADS1293CISQE-NOPB  [ADS1293CISQE]  31.61 23.71 90 top
U1#3  ADS1293CISQE-NOPB  [ADS1293CISQE]  14.61 62.71 90 top
U1#4  ADS1293CISQE-NOPB  [ADS1293CISQE]  69.61 10.71 90 top
U1#5  ADS1293CISQE-NOPB  [ADS1293CISQE]  86.61 75.71 90 top
U1#6  ADS1293CISQE-NOPB  [ADS1293CISQE]  48.61 36.71 90 top
U1#7  ADS1293CISQE-NOPB  [ADS1293CISQE]  69.61 88.71 90 top
U1#8  ADS1293CISQE-NOPB  [ADS1293CISQE]  69.61 36.71 90 top
U1#9  ADS1293CISQE-NOPB  [ADS1293CISQE]  86.61 62.71 90 top
U1#10  ADS1293CISQE-NOPB  [ADS1293CISQE]  86.61 23.71 90 top
U1#11  ADS1293CISQE-NOPB  [ADS1293CISQE]  48.61 88.71 90 top
U1#12  ADS1293CISQE-NOPB  [ADS1293CISQE]  31.61 10.71 90 top
U1#13  ADS1293CISQE-NOPB  [ADS1293CISQE]  69.61 23.71 90 top
U1#14  ADS1293CISQE-NOPB  [ADS1293CISQE]  14.61 23.71 90 top
U1#15  ADS1293CISQE-NOPB  [ADS1293CISQE]  14.61 88.71 90 top
U1#16  ADS1293CISQE-NOPB  [ADS1293CISQE]  69.61 62.71 90 top
U1#17  ADS1293CISQE-NOPB  [ADS1293CISQE]  48.61 23.71 90 top
U1#18  ADS1293CISQE-NOPB  [ADS1293CISQE]  86.61 88.71 90 top
U1#19  ADS1293CISQE-NOPB  [ADS1293CISQE]  31.61 36.71 90 top
U1#20  ADS1293CISQE-NOPB  [ADS1293CISQE]  14.61 10.71 90 top
U1#21  ADS1293CISQE-NOPB  [ADS1293CISQE]  48.61 10.71 90 top
U1#22  ADS1293CISQE-NOPB  [ADS1293CISQE]  14.61 49.71 90 top
U1#23  ADS1293CISQE-NOPB  [ADS1293CISQE]  14.61 75.71 90 top
U1#24  ADS1293CISQE-NOPB  [ADS1293CISQE]  86.61 49.71 90 top
U1#25  ADS1293CISQE-NOPB  [ADS1293CISQE]  48.61 62.71 90 top
U1#26  ADS1293CISQE-NOPB  [ADS1293CISQE]  14.61 36.71 90 top
U1#27  ADS1293CISQE-NOPB  [ADS1293CISQE]  69.61 75.71 90 top
U1#28  ADS1293CISQE-NOPB  [ADS1293CISQE]  31.61 88.71 90 top
U1#29  ADS1293CISQE-NOPB  [ADS1293CISQE]  31.61 62.71 90 top
U1#30  ADS1293CISQE-NOPB  [ADS1293CISQE]  48.61 75.71 90 top
U1#31  ADS1293CISQE-NOPB  [ADS1293CISQE]  31.61 75.71 90 top
U1#32  ADS1293CISQE-NOPB  [ADS1293CISQE]  86.61 10.71 90 top
U1#33  ADS1293CISQE-NOPB  [ADS1293CISQE]  86.61 36.71 90 top
U1#34  ADS1293CISQE-NOPB  [ADS1293CISQE]  69.61 49.71 90 top
U1#35  ADS1293CISQE-NOPB  [ADS1293CISQE]  31.61 49.71 90 top
U2  AP2112K-3.3TRG1  [SOT-25-5_L2.9-W1.6-P0.95-LS2.8-BL]  8.07 62.71 180 top
U2#2  AP2112K-3.3TRG1  [SOT-25-5_L2.9-W1.6-P0.95-LS2.8-BL]  80.07 10.71 180 top
U2#3  AP2112K-3.3TRG1  [SOT-25-5_L2.9-W1.6-P0.95-LS2.8-BL]  8.07 10.71 180 top
U2#4  AP2112K-3.3TRG1  [SOT-25-5_L2.9-W1.6-P0.95-LS2.8-BL]  80.07 62.71 180 top
U2#5  AP2112K-3.3TRG1  [SOT-25-5_L2.9-W1.6-P0.95-LS2.8-BL]  25.07 10.71 180 top
U2#6  AP2112K-3.3TRG1  [SOT-25-5_L2.9-W1.6-P0.95-LS2.8-BL]  63.07 62.71 180 top
U2#7  AP2112K-3.3TRG1  [SOT-25-5_L2.9-W1.6-P0.95-LS2.8-BL]  42.07 62.71 180 top
U2#8  AP2112K-3.3TRG1  [SOT-25-5_L2.9-W1.6-P0.95-LS2.8-BL]  63.07 75.71 180 top
U2#9  AP2112K-3.3TRG1  [SOT-25-5_L2.9-W1.6-P0.95-LS2.8-BL]  63.07 36.71 180 top
U2#10  AP2112K-3.3TRG1  [SOT-25-5_L2.9-W1.6-P0.95-LS2.8-BL]  63.07 23.71 180 top
U2#11  AP2112K-3.3TRG1  [SOT-25-5_L2.9-W1.6-P0.95-LS2.8-BL]  80.07 88.71 180 top
U2#12  AP2112K-3.3TRG1  [SOT-25-5_L2.9-W1.6-P0.95-LS2.8-BL]  25.07 49.71 180 top
U2#13  AP2112K-3.3TRG1  [SOT-25-5_L2.9-W1.6-P0.95-LS2.8-BL]  42.07 88.71 180 top
U2#14  AP2112K-3.3TRG1  [SOT-25-5_L2.9-W1.6-P0.95-LS2.8-BL]  8.07 49.71 180 top
U2#15  AP2112K-3.3TRG1  [SOT-25-5_L2.9-W1.6-P0.95-LS2.8-BL]  8.07 36.71 180 top
U2#16  AP2112K-3.3TRG1  [SOT-25-5_L2.9-W1.6-P0.95-LS2.8-BL]  25.07 62.71 180 top
U2#17  AP2112K-3.3TRG1  [SOT-25-5_L2.9-W1.6-P0.95-LS2.8-BL]  63.07 10.71 180 top
U2#18  AP2112K-3.3TRG1  [SOT-25-5_L2.9-W1.6-P0.95-LS2.8-BL]  25.07 88.71 180 top
U2#19  AP2112K-3.3TRG1  [SOT-25-5_L2.9-W1.6-P0.95-LS2.8-BL]  80.07 75.71 180 top
